# KiCad board Parallel.kicad_pcb (continued)
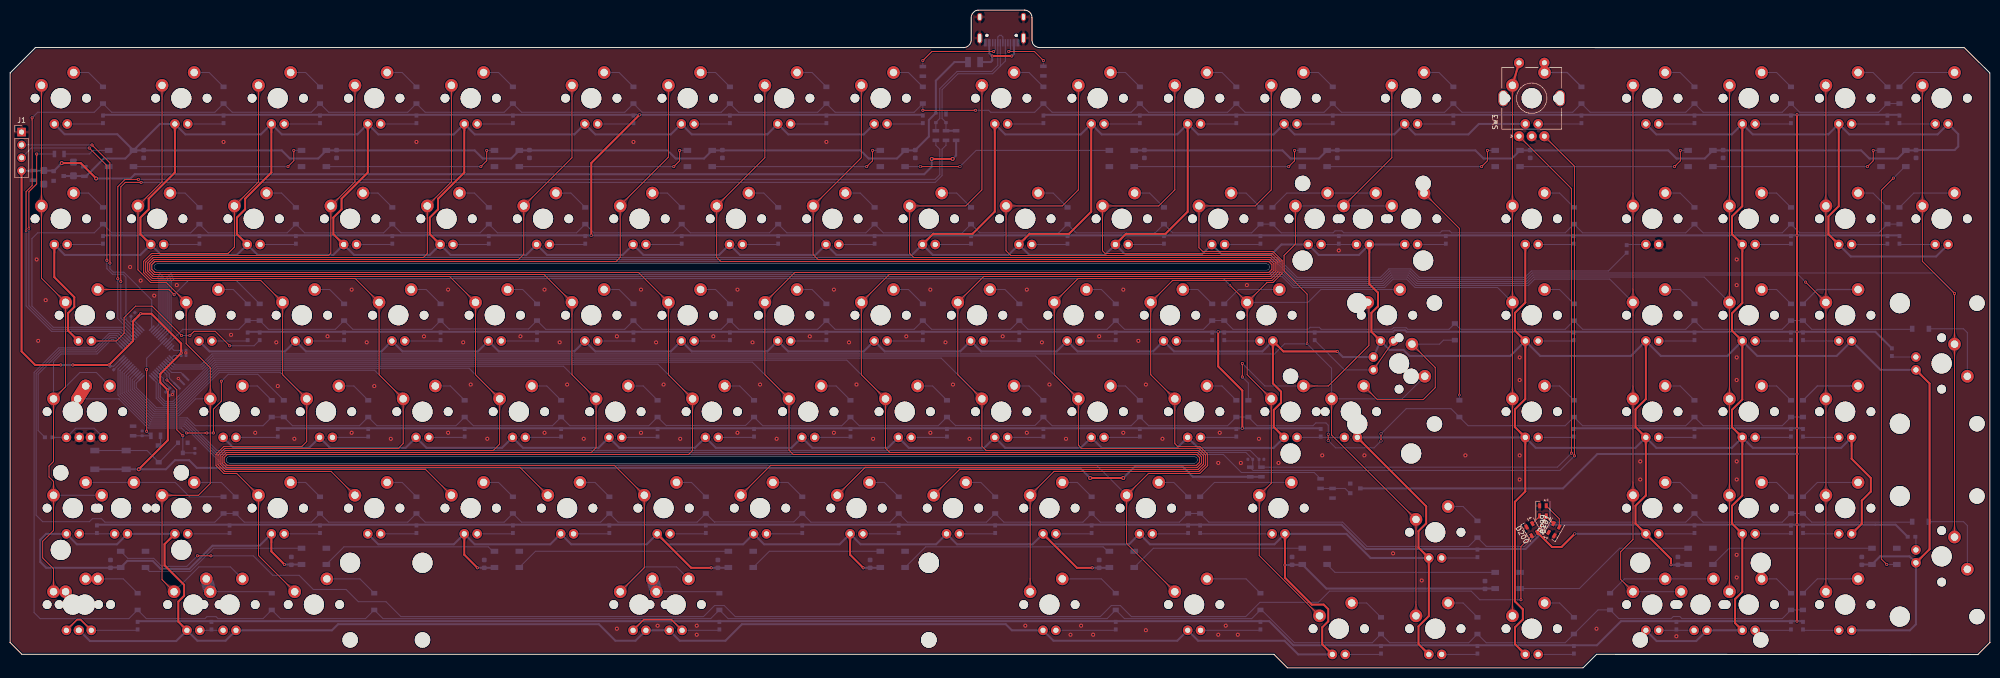
[diagram p0: board, top side]
## Copper pours and planes (outline as drawn; the poured copper is in the pictures) (continued)
Net-(D49-Pad2) on Bottom: 266.94,93.68 267.01,93.68 267.09,93.68 267.16,93.67 267.23,93.67 267.3,93.66 267.37,93.65 267.44,93.64 267.51,93.63 267.58,93.61 267.65,93.6 267.71,93.58 267.78,93.56 267.84,93.54 267.91,93.51 267.97,93.49 268.03,93.46 268.1,93.43 268.16,93.4 268.22,93.37 268.28,93.34 268.33,93.3 268.39,93.27 268.45,93.23 268.5,93.19 268.56,93.14 268.61,93.1 268.67,93.05 268.72,93.01 268.77,92.96 268.82,92.91 270.34,93.78 268.82,94.66 268.77,94.61 268.72,94.56 268.67,94.51 268.61,94.46 268.56,94.42 268.5,94.38 268.45,94.34 268.39,94.3 268.33,94.26 268.28,94.23 268.22,94.19 268.16,94.16 268.1,94.13 268.03,94.1 267.97,94.08 267.91,94.05 267.84,94.03 267.78,94.01 267.71,93.99 267.65,93.97 267.58,93.95 267.51,93.94 267.44,93.92 267.37,93.91 267.3,93.9 267.23,93.9 267.16,93.89 267.09,93.89 267.01,93.88 266.94,93.88
Net-(D52-Pad2) on Bottom: 305.83,93.88 305.75,93.88 305.68,93.89 305.61,93.89 305.54,93.9 305.46,93.9 305.39,93.91 305.32,93.92 305.26,93.94 305.19,93.95 305.12,93.97 305.05,93.99 304.99,94.01 304.92,94.03 304.86,94.05 304.8,94.08 304.73,94.1 304.67,94.13 304.61,94.16 304.55,94.19 304.49,94.23 304.43,94.26 304.38,94.3 304.32,94.34 304.26,94.38 304.21,94.42 304.15,94.46 304.1,94.51 304.05,94.56 304,94.61 303.94,94.66 302.43,93.78 303.94,92.91 304,92.96 304.05,93.01 304.1,93.05 304.15,93.1 304.21,93.14 304.26,93.19 304.32,93.23 304.38,93.27 304.43,93.3 304.49,93.34 304.55,93.37 304.61,93.4 304.67,93.43 304.73,93.46 304.8,93.49 304.86,93.51 304.92,93.54 304.99,93.56 305.05,93.58 305.12,93.6 305.19,93.61 305.26,93.63 305.32,93.64 305.39,93.65 305.46,93.66 305.54,93.67 305.61,93.67 305.68,93.68 305.75,93.68 305.83,93.68
Net-(D53-Pad2) on Bottom: 329.64,117.69 329.57,117.7 329.49,117.7 329.42,117.7 329.35,117.71 329.28,117.72 329.21,117.73 329.14,117.74 329.07,117.75 329,117.76 328.93,117.78 328.87,117.8 328.8,117.82 328.74,117.84 328.67,117.86 328.61,117.89 328.55,117.91 328.48,117.94 328.42,117.97 328.36,118.01 328.3,118.04 328.25,118.07 328.19,118.11 328.13,118.15 328.08,118.19 328.02,118.23 327.97,118.28 327.91,118.32 327.86,118.37 327.81,118.42 327.76,118.47 326.24,117.59 327.76,116.72 327.81,116.77 327.86,116.82 327.91,116.87 327.97,116.91 328.02,116.96 328.08,117 328.13,117.04 328.19,117.08 328.25,117.11 328.3,117.15 328.36,117.18 328.42,117.22 328.48,117.25 328.55,117.27 328.61,117.3 328.67,117.33 328.74,117.35 328.8,117.37 328.87,117.39 328.93,117.41 329,117.42 329.07,117.44 329.14,117.45 329.21,117.46 329.28,117.47 329.35,117.48 329.42,117.49 329.49,117.49 329.57,117.49 329.64,117.49
Net-(D54-Pad2) on Bottom: 329.64,93.88 329.57,93.88 329.49,93.89 329.42,93.89 329.35,93.9 329.28,93.9 329.21,93.91 329.14,93.92 329.07,93.94 329,93.95 328.93,93.97 328.87,93.99 328.8,94.01 328.74,94.03 328.67,94.05 328.61,94.08 328.55,94.1 328.48,94.13 328.42,94.16 328.36,94.19 328.3,94.23 328.25,94.26 328.19,94.3 328.13,94.34 328.08,94.38 328.02,94.42 327.97,94.46 327.91,94.51 327.86,94.56 327.81,94.61 327.76,94.66 326.24,93.78 327.76,92.91 327.81,92.96 327.86,93.01 327.91,93.05 327.97,93.1 328.02,93.14 328.08,93.19 328.13,93.23 328.19,93.27 328.25,93.3 328.3,93.34 328.36,93.37 328.42,93.4 328.48,93.43 328.55,93.46 328.61,93.49 328.67,93.51 328.74,93.54 328.8,93.56 328.87,93.58 328.93,93.6 329,93.61 329.07,93.63 329.14,93.64 329.21,93.65 329.28,93.66 329.35,93.67 329.42,93.67 329.49,93.68 329.57,93.68 329.64,93.68
Net-(D55-Pad2) on Bottom: 348.69,117.69 348.62,117.7 348.54,117.7 348.47,117.7 348.4,117.71 348.33,117.72 348.26,117.73 348.19,117.74 348.12,117.75 348.05,117.76 347.98,117.78 347.92,117.8 347.85,117.82 347.79,117.84 347.72,117.86 347.66,117.89 347.6,117.91 347.53,117.94 347.47,117.97 347.41,118.01 347.35,118.04 347.3,118.07 347.24,118.11 347.18,118.15 347.13,118.19 347.07,118.23 347.02,118.28 346.96,118.32 346.91,118.37 346.86,118.42 346.81,118.47 345.29,117.59 346.81,116.72 346.86,116.77 346.91,116.82 346.96,116.87 347.02,116.91 347.07,116.96 347.13,117 347.18,117.04 347.24,117.08 347.3,117.11 347.35,117.15 347.41,117.18 347.47,117.22 347.53,117.25 347.6,117.27 347.66,117.3 347.72,117.33 347.79,117.35 347.85,117.37 347.92,117.39 347.98,117.41 348.05,117.42 348.12,117.44 348.19,117.45 348.26,117.46 348.33,117.47 348.4,117.48 348.47,117.49 348.54,117.49 348.62,117.49 348.69,117.49
Net-(D56-Pad2) on Bottom: 348.69,93.88 348.62,93.88 348.54,93.89 348.47,93.89 348.4,93.9 348.33,93.9 348.26,93.91 348.19,93.92 348.12,93.94 348.05,93.95 347.98,93.97 347.92,93.99 347.85,94.01 347.79,94.03 347.72,94.05 347.66,94.08 347.6,94.1 347.53,94.13 347.47,94.16 347.41,94.19 347.35,94.23 347.3,94.26 347.24,94.3 347.18,94.34 347.13,94.38 347.07,94.42 347.02,94.46 346.96,94.51 346.91,94.56 346.86,94.61 346.81,94.66 345.29,93.78 346.81,92.91 346.86,92.96 346.91,93.01 346.96,93.05 347.02,93.1 347.07,93.14 347.13,93.19 347.18,93.23 347.24,93.27 347.3,93.3 347.35,93.34 347.41,93.37 347.47,93.4 347.53,93.43 347.6,93.46 347.66,93.49 347.72,93.51 347.79,93.54 347.85,93.56 347.92,93.58 347.98,93.6 348.05,93.61 348.12,93.63 348.19,93.64 348.26,93.65 348.33,93.66 348.4,93.67 348.47,93.67 348.54,93.68 348.62,93.68 348.69,93.68
Net-(D57-Pad2) on Bottom: 367.74,117.69 367.67,117.7 367.59,117.7 367.52,117.7 367.45,117.71 367.38,117.72 367.31,117.73 367.24,117.74 367.17,117.75 367.1,117.76 367.03,117.78 366.97,117.8 366.9,117.82 366.84,117.84 366.77,117.86 366.71,117.89 366.65,117.91 366.58,117.94 366.52,117.97 366.46,118.01 366.4,118.04 366.35,118.07 366.29,118.11 366.23,118.15 366.18,118.19 366.12,118.23 366.07,118.28 366.01,118.32 365.96,118.37 365.91,118.42 365.86,118.47 364.34,117.59 365.86,116.72 365.91,116.77 365.96,116.82 366.01,116.87 366.07,116.91 366.12,116.96 366.18,117 366.23,117.04 366.29,117.08 366.35,117.11 366.4,117.15 366.46,117.18 366.52,117.22 366.58,117.25 366.65,117.27 366.71,117.3 366.77,117.33 366.84,117.35 366.9,117.37 366.97,117.39 367.03,117.41 367.1,117.42 367.17,117.44 367.24,117.45 367.31,117.46 367.38,117.47 367.45,117.48 367.52,117.49 367.59,117.49 367.67,117.49 367.74,117.49
Net-(D58-Pad2) on Bottom: 367.74,93.88 367.67,93.88 367.59,93.89 367.52,93.89 367.45,93.9 367.38,93.9 367.31,93.91 367.24,93.92 367.17,93.94 367.1,93.95 367.03,93.97 366.97,93.99 366.9,94.01 366.84,94.03 366.77,94.05 366.71,94.08 366.65,94.1 366.58,94.13 366.52,94.16 366.46,94.19 366.4,94.23 366.35,94.26 366.29,94.3 366.23,94.34 366.18,94.38 366.12,94.42 366.07,94.46 366.01,94.51 365.96,94.56 365.91,94.61 365.86,94.66 364.34,93.78 365.86,92.91 365.91,92.96 365.96,93.01 366.01,93.05 366.07,93.1 366.12,93.14 366.18,93.19 366.23,93.23 366.29,93.27 366.35,93.3 366.4,93.34 366.46,93.37 366.52,93.4 366.58,93.43 366.65,93.46 366.71,93.49 366.77,93.51 366.84,93.54 366.9,93.56 366.97,93.58 367.03,93.6 367.1,93.61 367.17,93.63 367.24,93.64 367.31,93.65 367.38,93.66 367.45,93.67 367.52,93.67 367.59,93.68 367.67,93.68 367.74,93.68
Net-(D59-Pad2) on Bottom: 381.24,117.49 381.31,117.49 381.39,117.49 381.46,117.49 381.53,117.48 381.6,117.47 381.67,117.46 381.74,117.45 381.81,117.44 381.88,117.42 381.95,117.41 382.01,117.39 382.08,117.37 382.14,117.35 382.21,117.33 382.27,117.3 382.33,117.27 382.4,117.25 382.46,117.22 382.52,117.18 382.58,117.15 382.63,117.11 382.69,117.08 382.75,117.04 382.8,117 382.86,116.96 382.91,116.91 382.97,116.87 383.02,116.82 383.07,116.77 383.12,116.72 384.64,117.59 383.12,118.47 383.07,118.42 383.02,118.37 382.97,118.32 382.91,118.28 382.86,118.23 382.8,118.19 382.75,118.15 382.69,118.11 382.63,118.07 382.58,118.04 382.52,118.01 382.46,117.97 382.4,117.94 382.33,117.91 382.27,117.89 382.21,117.86 382.14,117.84 382.08,117.82 382.01,117.8 381.95,117.78 381.88,117.76 381.81,117.75 381.74,117.74 381.67,117.73 381.6,117.72 381.53,117.71 381.46,117.7 381.39,117.7 381.31,117.7 381.24,117.69
Net-(D60-Pad2) on Bottom: 381.24,93.68 381.31,93.68 381.39,93.68 381.46,93.67 381.53,93.67 381.6,93.66 381.67,93.65 381.74,93.64 381.81,93.63 381.88,93.61 381.95,93.6 382.01,93.58 382.08,93.56 382.14,93.54 382.21,93.51 382.27,93.49 382.33,93.46 382.4,93.43 382.46,93.4 382.52,93.37 382.58,93.34 382.63,93.3 382.69,93.27 382.75,93.23 382.8,93.19 382.86,93.14 382.91,93.1 382.97,93.05 383.02,93.01 383.07,92.96 383.12,92.91 384.64,93.78 383.12,94.66 383.07,94.61 383.02,94.56 382.97,94.51 382.91,94.46 382.86,94.42 382.8,94.38 382.75,94.34 382.69,94.3 382.63,94.26 382.58,94.23 382.52,94.19 382.46,94.16 382.4,94.13 382.33,94.1 382.27,94.08 382.21,94.05 382.14,94.03 382.08,94.01 382.01,93.99 381.95,93.97 381.88,93.95 381.81,93.94 381.74,93.92 381.67,93.91 381.6,93.9 381.53,93.9 381.46,93.89 381.39,93.89 381.31,93.88 381.24,93.88
Net-(D61-Pad2) on Top: 20.08,74.83 20,74.83 19.93,74.84 19.86,74.84 19.79,74.85 19.71,74.85 19.64,74.86 19.57,74.87 19.51,74.89 19.44,74.9 19.37,74.92 19.3,74.94 19.24,74.96 19.17,74.98 19.11,75 19.05,75.03 18.98,75.05 18.92,75.08 18.86,75.11 18.8,75.14 18.74,75.18 18.68,75.21 18.63,75.25 18.57,75.29 18.51,75.33 18.46,75.37 18.4,75.41 18.35,75.46 18.3,75.51 18.25,75.56 18.19,75.61 16.68,74.73 18.19,73.86 18.25,73.91 18.3,73.96 18.35,74 18.4,74.05 18.46,74.09 18.51,74.14 18.57,74.18 18.63,74.22 18.68,74.25 18.74,74.29 18.8,74.32 18.86,74.35 18.92,74.38 18.98,74.41 19.05,74.44 19.11,74.46 19.17,74.49 19.24,74.51 19.3,74.53 19.37,74.55 19.44,74.56 19.51,74.58 19.57,74.59 19.64,74.6 19.71,74.61 19.79,74.62 19.86,74.62 19.93,74.63 20,74.63 20.08,74.63
Net-(D62-Pad2) on Bottom: 43.89,74.83 43.82,74.83 43.74,74.84 43.67,74.84 43.6,74.85 43.53,74.85 43.46,74.86 43.39,74.87 43.32,74.89 43.25,74.9 43.18,74.92 43.12,74.94 43.05,74.96 42.99,74.98 42.92,75 42.86,75.03 42.8,75.05 42.73,75.08 42.67,75.11 42.61,75.14 42.55,75.18 42.5,75.21 42.44,75.25 42.38,75.29 42.33,75.33 42.27,75.37 42.22,75.41 42.16,75.46 42.11,75.51 42.06,75.56 42.01,75.61 40.49,74.73 42.01,73.86 42.06,73.91 42.11,73.96 42.16,74 42.22,74.05 42.27,74.09 42.33,74.14 42.38,74.18 42.44,74.22 42.5,74.25 42.55,74.29 42.61,74.32 42.67,74.35 42.73,74.38 42.8,74.41 42.86,74.44 42.92,74.46 42.99,74.49 43.05,74.51 43.12,74.53 43.18,74.55 43.25,74.56 43.32,74.58 43.39,74.59 43.46,74.6 43.53,74.61 43.6,74.62 43.67,74.62 43.74,74.63 43.82,74.63 43.89,74.63
Net-(D63-Pad2) on Bottom: 62.94,74.83 62.87,74.83 62.79,74.84 62.72,74.84 62.65,74.85 62.58,74.85 62.51,74.86 62.44,74.87 62.37,74.89 62.3,74.9 62.23,74.92 62.17,74.94 62.1,74.96 62.04,74.98 61.97,75 61.91,75.03 61.85,75.05 61.78,75.08 61.72,75.11 61.66,75.14 61.6,75.18 61.55,75.21 61.49,75.25 61.43,75.29 61.38,75.33 61.32,75.37 61.27,75.41 61.21,75.46 61.16,75.51 61.11,75.56 61.06,75.61 59.54,74.73 61.06,73.86 61.11,73.91 61.16,73.96 61.21,74 61.27,74.05 61.32,74.09 61.38,74.14 61.43,74.18 61.49,74.22 61.55,74.25 61.6,74.29 61.66,74.32 61.72,74.35 61.78,74.38 61.85,74.41 61.91,74.44 61.97,74.46 62.04,74.49 62.1,74.51 62.17,74.53 62.23,74.55 62.3,74.56 62.37,74.58 62.44,74.59 62.51,74.6 62.58,74.61 62.65,74.62 62.72,74.62 62.79,74.63 62.87,74.63 62.94,74.63
Net-(D64-Pad2) on Bottom: 81.99,74.83 81.92,74.83 81.84,74.84 81.77,74.84 81.7,74.85 81.63,74.85 81.56,74.86 81.49,74.87 81.42,74.89 81.35,74.9 81.28,74.92 81.22,74.94 81.15,74.96 81.09,74.98 81.02,75 80.96,75.03 80.9,75.05 80.83,75.08 80.77,75.11 80.71,75.14 80.65,75.18 80.6,75.21 80.54,75.25 80.48,75.29 80.43,75.33 80.37,75.37 80.32,75.41 80.26,75.46 80.21,75.51 80.16,75.56 80.11,75.61 78.59,74.73 80.11,73.86 80.16,73.91 80.21,73.96 80.26,74 80.32,74.05 80.37,74.09 80.43,74.14 80.48,74.18 80.54,74.22 80.6,74.25 80.65,74.29 80.71,74.32 80.77,74.35 80.83,74.38 80.9,74.41 80.96,74.44 81.02,74.46 81.09,74.49 81.15,74.51 81.22,74.53 81.28,74.55 81.35,74.56 81.42,74.58 81.49,74.59 81.56,74.6 81.63,74.61 81.7,74.62 81.77,74.62 81.84,74.63 81.92,74.63 81.99,74.63
Net-(D65-Pad2) on Bottom: 101.04,74.83 100.97,74.83 100.89,74.84 100.82,74.84 100.75,74.85 100.68,74.85 100.61,74.86 100.54,74.87 100.47,74.89 100.4,74.9 100.33,74.92 100.27,74.94 100.2,74.96 100.14,74.98 100.07,75 100.01,75.03 99.95,75.05 99.88,75.08 99.82,75.11 99.76,75.14 99.7,75.18 99.65,75.21 99.59,75.25 99.53,75.29 99.48,75.33 99.42,75.37 99.37,75.41 99.31,75.46 99.26,75.51 99.21,75.56 99.16,75.61 97.64,74.73 99.16,73.86 99.21,73.91 99.26,73.96 99.31,74 99.37,74.05 99.42,74.09 99.48,74.14 99.53,74.18 99.59,74.22 99.65,74.25 99.7,74.29 99.76,74.32 99.82,74.35 99.88,74.38 99.95,74.41 100.01,74.44 100.07,74.46 100.14,74.49 100.2,74.51 100.27,74.53 100.33,74.55 100.4,74.56 100.47,74.58 100.54,74.59 100.61,74.6 100.68,74.61 100.75,74.62 100.82,74.62 100.89,74.63 100.97,74.63 101.04,74.63
Net-(D66-Pad2) on Bottom: 120.09,74.83 120.02,74.83 119.94,74.84 119.87,74.84 119.8,74.85 119.73,74.85 119.66,74.86 119.59,74.87 119.52,74.89 119.45,74.9 119.38,74.92 119.32,74.94 119.25,74.96 119.19,74.98 119.12,75 119.06,75.03 119,75.05 118.93,75.08 118.87,75.11 118.81,75.14 118.75,75.18 118.7,75.21 118.64,75.25 118.58,75.29 118.53,75.33 118.47,75.37 118.42,75.41 118.36,75.46 118.31,75.51 118.26,75.56 118.21,75.61 116.69,74.73 118.21,73.86 118.26,73.91 118.31,73.96 118.36,74 118.42,74.05 118.47,74.09 118.53,74.14 118.58,74.18 118.64,74.22 118.7,74.25 118.75,74.29 118.81,74.32 118.87,74.35 118.93,74.38 119,74.41 119.06,74.44 119.12,74.46 119.19,74.49 119.25,74.51 119.32,74.53 119.38,74.55 119.45,74.56 119.52,74.58 119.59,74.59 119.66,74.6 119.73,74.61 119.8,74.62 119.87,74.62 119.94,74.63 120.02,74.63 120.09,74.63
Net-(D67-Pad2) on Bottom: 139.14,74.83 139.07,74.83 138.99,74.84 138.92,74.84 138.85,74.85 138.78,74.85 138.71,74.86 138.64,74.87 138.57,74.89 138.5,74.9 138.43,74.92 138.37,74.94 138.3,74.96 138.24,74.98 138.17,75 138.11,75.03 138.05,75.05 137.98,75.08 137.92,75.11 137.86,75.14 137.8,75.18 137.75,75.21 137.69,75.25 137.63,75.29 137.58,75.33 137.52,75.37 137.47,75.41 137.41,75.46 137.36,75.51 137.31,75.56 137.26,75.61 135.74,74.73 137.26,73.86 137.31,73.91 137.36,73.96 137.41,74 137.47,74.05 137.52,74.09 137.58,74.14 137.63,74.18 137.69,74.22 137.75,74.25 137.8,74.29 137.86,74.32 137.92,74.35 137.98,74.38 138.05,74.41 138.11,74.44 138.17,74.46 138.24,74.49 138.3,74.51 138.37,74.53 138.43,74.55 138.5,74.56 138.57,74.58 138.64,74.59 138.71,74.6 138.78,74.61 138.85,74.62 138.92,74.62 138.99,74.63 139.07,74.63 139.14,74.63
Net-(D68-Pad2) on Bottom: 158.19,74.83 158.12,74.83 158.04,74.84 157.97,74.84 157.9,74.85 157.83,74.85 157.76,74.86 157.69,74.87 157.62,74.89 157.55,74.9 157.48,74.92 157.42,74.94 157.35,74.96 157.29,74.98 157.22,75 157.16,75.03 157.1,75.05 157.03,75.08 156.97,75.11 156.91,75.14 156.85,75.18 156.8,75.21 156.74,75.25 156.68,75.29 156.63,75.33 156.57,75.37 156.52,75.41 156.46,75.46 156.41,75.51 156.36,75.56 156.31,75.61 154.79,74.73 156.31,73.86 156.36,73.91 156.41,73.96 156.46,74 156.52,74.05 156.57,74.09 156.63,74.14 156.68,74.18 156.74,74.22 156.8,74.25 156.85,74.29 156.91,74.32 156.97,74.35 157.03,74.38 157.1,74.41 157.16,74.44 157.22,74.46 157.29,74.49 157.35,74.51 157.42,74.53 157.48,74.55 157.55,74.56 157.62,74.58 157.69,74.59 157.76,74.6 157.83,74.61 157.9,74.62 157.97,74.62 158.04,74.63 158.12,74.63 158.19,74.63
Net-(D69-Pad2) on Bottom: 177.24,74.83 177.17,74.83 177.09,74.84 177.02,74.84 176.95,74.85 176.88,74.85 176.81,74.86 176.74,74.87 176.67,74.89 176.6,74.9 176.53,74.92 176.47,74.94 176.4,74.96 176.34,74.98 176.27,75 176.21,75.03 176.15,75.05 176.08,75.08 176.02,75.11 175.96,75.14 175.9,75.18 175.85,75.21 175.79,75.25 175.73,75.29 175.68,75.33 175.62,75.37 175.57,75.41 175.51,75.46 175.46,75.51 175.41,75.56 175.36,75.61 173.84,74.73 175.36,73.86 175.41,73.91 175.46,73.96 175.51,74 175.57,74.05 175.62,74.09 175.68,74.14 175.73,74.18 175.79,74.22 175.85,74.25 175.9,74.29 175.96,74.32 176.02,74.35 176.08,74.38 176.15,74.41 176.21,74.44 176.27,74.46 176.34,74.49 176.4,74.51 176.47,74.53 176.53,74.55 176.6,74.56 176.67,74.58 176.74,74.59 176.81,74.6 176.88,74.61 176.95,74.62 177.02,74.62 177.09,74.63 177.17,74.63 177.24,74.63
Net-(D70-Pad2) on Bottom: 196.29,74.83 196.22,74.83 196.14,74.84 196.07,74.84 196,74.85 195.93,74.85 195.86,74.86 195.79,74.87 195.72,74.89 195.65,74.9 195.58,74.92 195.52,74.94 195.45,74.96 195.39,74.98 195.32,75 195.26,75.03 195.2,75.05 195.13,75.08 195.07,75.11 195.01,75.14 194.95,75.18 194.9,75.21 194.84,75.25 194.78,75.29 194.73,75.33 194.67,75.37 194.62,75.41 194.56,75.46 194.51,75.51 194.46,75.56 194.41,75.61 192.89,74.73 194.41,73.86 194.46,73.91 194.51,73.96 194.56,74 194.62,74.05 194.67,74.09 194.73,74.14 194.78,74.18 194.84,74.22 194.9,74.25 194.95,74.29 195.01,74.32 195.07,74.35 195.13,74.38 195.2,74.41 195.26,74.44 195.32,74.46 195.39,74.49 195.45,74.51 195.52,74.53 195.58,74.55 195.65,74.56 195.72,74.58 195.79,74.59 195.86,74.6 195.93,74.61 196,74.62 196.07,74.62 196.14,74.63 196.22,74.63 196.29,74.63
Net-(D71-Pad2) on Bottom: 215.34,74.83 215.27,74.83 215.19,74.84 215.12,74.84 215.05,74.85 214.98,74.85 214.91,74.86 214.84,74.87 214.77,74.89 214.7,74.9 214.63,74.92 214.57,74.94 214.5,74.96 214.44,74.98 214.37,75 214.31,75.03 214.25,75.05 214.18,75.08 214.12,75.11 214.06,75.14 214,75.18 213.95,75.21 213.89,75.25 213.83,75.29 213.78,75.33 213.72,75.37 213.67,75.41 213.61,75.46 213.56,75.51 213.51,75.56 213.46,75.61 211.94,74.73 213.46,73.86 213.51,73.91 213.56,73.96 213.61,74 213.67,74.05 213.72,74.09 213.78,74.14 213.83,74.18 213.89,74.22 213.95,74.25 214,74.29 214.06,74.32 214.12,74.35 214.18,74.38 214.25,74.41 214.31,74.44 214.37,74.46 214.44,74.49 214.5,74.51 214.57,74.53 214.63,74.55 214.7,74.56 214.77,74.58 214.84,74.59 214.91,74.6 214.98,74.61 215.05,74.62 215.12,74.62 215.19,74.63 215.27,74.63 215.34,74.63
Net-(D72-Pad2) on Bottom: 234.39,74.83 234.32,74.83 234.24,74.84 234.17,74.84 234.1,74.85 234.03,74.85 233.96,74.86 233.89,74.87 233.82,74.89 233.75,74.9 233.68,74.92 233.62,74.94 233.55,74.96 233.49,74.98 233.42,75 233.36,75.03 233.3,75.05 233.23,75.08 233.17,75.11 233.11,75.14 233.05,75.18 233,75.21 232.94,75.25 232.88,75.29 232.83,75.33 232.77,75.37 232.72,75.41 232.66,75.46 232.61,75.51 232.56,75.56 232.51,75.61 230.99,74.73 232.51,73.86 232.56,73.91 232.61,73.96 232.66,74 232.72,74.05 232.77,74.09 232.83,74.14 232.88,74.18 232.94,74.22 233,74.25 233.05,74.29 233.11,74.32 233.17,74.35 233.23,74.38 233.3,74.41 233.36,74.44 233.42,74.46 233.49,74.49 233.55,74.51 233.62,74.53 233.68,74.55 233.75,74.56 233.82,74.58 233.89,74.59 233.96,74.6 234.03,74.61 234.1,74.62 234.17,74.62 234.24,74.63 234.32,74.63 234.39,74.63
Net-(D73-Pad2) on Bottom: 247.89,74.63 247.96,74.63 248.04,74.63 248.11,74.62 248.18,74.62 248.25,74.61 248.32,74.6 248.39,74.59 248.46,74.58 248.53,74.56 248.6,74.55 248.66,74.53 248.73,74.51 248.79,74.49 248.86,74.46 248.92,74.44 248.98,74.41 249.05,74.38 249.11,74.35 249.17,74.32 249.23,74.29 249.28,74.25 249.34,74.22 249.4,74.18 249.45,74.14 249.51,74.09 249.56,74.05 249.62,74 249.67,73.96 249.72,73.91 249.77,73.86 251.29,74.73 249.77,75.61 249.72,75.56 249.67,75.51 249.62,75.46 249.56,75.41 249.51,75.37 249.45,75.33 249.4,75.29 249.34,75.25 249.28,75.21 249.23,75.18 249.17,75.14 249.11,75.11 249.05,75.08 248.98,75.05 248.92,75.03 248.86,75 248.79,74.98 248.73,74.96 248.66,74.94 248.6,74.92 248.53,74.9 248.46,74.89 248.39,74.87 248.32,74.86 248.25,74.85 248.18,74.85 248.11,74.84 248.04,74.84 247.96,74.83 247.89,74.83
Net-(D74-Pad2) on Top: 269.37,53.79 269.32,53.84 269.27,53.9 269.22,53.95 269.17,54.01 269.13,54.06 269.08,54.12 269.04,54.18 269,54.23 268.96,54.29 268.93,54.35 268.89,54.41 268.86,54.47 268.83,54.53 268.8,54.59 268.77,54.66 268.75,54.72 268.73,54.78 268.7,54.85 268.68,54.91 268.67,54.98 268.65,55.04 268.64,55.11 268.62,55.18 268.61,55.25 268.6,55.32 268.6,55.38 268.59,55.46 268.59,55.53 268.58,55.6 268.58,55.67 266.89,56.12 267.35,54.43 267.42,54.43 267.49,54.43 267.56,54.43 267.63,54.42 267.7,54.41 267.77,54.4 267.84,54.39 267.9,54.38 267.97,54.37 268.04,54.35 268.1,54.33 268.17,54.31 268.23,54.29 268.3,54.27 268.36,54.24 268.42,54.21 268.48,54.19 268.54,54.15 268.6,54.12 268.66,54.09 268.72,54.05 268.78,54.01 268.84,53.97 268.9,53.93 268.95,53.89 269.01,53.85 269.06,53.8 269.12,53.75 269.17,53.7 269.23,53.65
Net-(D74-Pad2) on Top: 278.89,62.04 278.84,62.1 278.79,62.15 278.74,62.21 278.7,62.26 278.65,62.32 278.61,62.37 278.57,62.43 278.53,62.49 278.49,62.55 278.45,62.61 278.42,62.67 278.39,62.73 278.36,62.79 278.33,62.85 278.3,62.91 278.27,62.97 278.25,63.04 278.23,63.1 278.21,63.17 278.19,63.23 278.18,63.3 278.16,63.37 278.15,63.43 278.14,63.5 278.13,63.57 278.12,63.64 278.12,63.71 278.11,63.78 278.11,63.85 278.11,63.92 276.42,64.38 276.87,62.69 276.94,62.69 277.02,62.68 277.09,62.68 277.16,62.68 277.23,62.67 277.29,62.66 277.36,62.65 277.43,62.64 277.5,62.62 277.56,62.6 277.63,62.59 277.69,62.57 277.76,62.54 277.82,62.52 277.88,62.5 277.95,62.47 278.01,62.44 278.07,62.41 278.13,62.38 278.19,62.34 278.25,62.31 278.31,62.27 278.36,62.23 278.42,62.19 278.48,62.15 278.53,62.1 278.59,62.05 278.64,62.01 278.7,61.95 278.75,61.9
Net-(D74-Pad2) on Bottom: 279.64,64.04 279.56,64.04 279.49,64.04 279.41,64.04 279.34,64.05 279.27,64.06 279.2,64.07 279.13,64.08 279.06,64.09 278.99,64.11 278.93,64.12 278.86,64.14 278.79,64.16 278.73,64.18 278.67,64.21 278.6,64.23 278.54,64.26 278.48,64.29 278.42,64.32 278.36,64.35 278.3,64.38 278.24,64.42 278.18,64.45 278.13,64.49 278.07,64.53 278.02,64.57 277.96,64.62 277.91,64.66 277.85,64.71 277.8,64.76 277.75,64.81 276.23,63.94 277.75,63.06 277.8,63.11 277.85,63.16 277.91,63.21 277.96,63.25 278.02,63.3 278.07,63.34 278.13,63.38 278.18,63.42 278.24,63.46 278.3,63.49 278.36,63.53 278.42,63.56 278.48,63.59 278.54,63.62 278.6,63.64 278.67,63.67 278.73,63.69 278.79,63.71 278.86,63.73 278.93,63.75 278.99,63.77 279.06,63.78 279.13,63.79 279.2,63.81 279.27,63.82 279.34,63.82 279.41,63.83 279.49,63.83 279.56,63.84 279.64,63.84
Net-(D75-Pad2) on Bottom: 305.83,74.83 305.75,74.83 305.68,74.84 305.61,74.84 305.54,74.85 305.46,74.85 305.39,74.86 305.32,74.87 305.26,74.89 305.19,74.9 305.12,74.92 305.05,74.94 304.99,74.96 304.92,74.98 304.86,75 304.8,75.03 304.73,75.05 304.67,75.08 304.61,75.11 304.55,75.14 304.49,75.18 304.43,75.21 304.38,75.25 304.32,75.29 304.26,75.33 304.21,75.37 304.15,75.41 304.1,75.46 304.05,75.51 304,75.56 303.94,75.61 302.43,74.73 303.94,73.86 304,73.91 304.05,73.96 304.1,74 304.15,74.05 304.21,74.09 304.26,74.14 304.32,74.18 304.38,74.22 304.43,74.25 304.49,74.29 304.55,74.32 304.61,74.35 304.67,74.38 304.73,74.41 304.8,74.44 304.86,74.46 304.92,74.49 304.99,74.51 305.05,74.53 305.12,74.55 305.19,74.56 305.26,74.58 305.32,74.59 305.39,74.6 305.46,74.61 305.54,74.62 305.61,74.62 305.68,74.63 305.75,74.63 305.83,74.63
Net-(D76-Pad2) on Bottom: 329.64,74.83 329.57,74.83 329.49,74.84 329.42,74.84 329.35,74.85 329.28,74.85 329.21,74.86 329.14,74.87 329.07,74.89 329,74.9 328.93,74.92 328.87,74.94 328.8,74.96 328.74,74.98 328.67,75 328.61,75.03 328.55,75.05 328.48,75.08 328.42,75.11 328.36,75.14 328.3,75.18 328.25,75.21 328.19,75.25 328.13,75.29 328.08,75.33 328.02,75.37 327.97,75.41 327.91,75.46 327.86,75.51 327.81,75.56 327.76,75.61 326.24,74.73 327.76,73.86 327.81,73.91 327.86,73.96 327.91,74 327.97,74.05 328.02,74.09 328.08,74.14 328.13,74.18 328.19,74.22 328.25,74.25 328.3,74.29 328.36,74.32 328.42,74.35 328.48,74.38 328.55,74.41 328.61,74.44 328.67,74.46 328.74,74.49 328.8,74.51 328.87,74.53 328.93,74.55 329,74.56 329.07,74.58 329.14,74.59 329.21,74.6 329.28,74.61 329.35,74.62 329.42,74.62 329.49,74.63 329.57,74.63 329.64,74.63
Net-(D77-Pad2) on Bottom: 348.69,74.83 348.62,74.83 348.54,74.84 348.47,74.84 348.4,74.85 348.33,74.85 348.26,74.86 348.19,74.87 348.12,74.89 348.05,74.9 347.98,74.92 347.92,74.94 347.85,74.96 347.79,74.98 347.72,75 347.66,75.03 347.6,75.05 347.53,75.08 347.47,75.11 347.41,75.14 347.35,75.18 347.3,75.21 347.24,75.25 347.18,75.29 347.13,75.33 347.07,75.37 347.02,75.41 346.96,75.46 346.91,75.51 346.86,75.56 346.81,75.61 345.29,74.73 346.81,73.86 346.86,73.91 346.91,73.96 346.96,74 347.02,74.05 347.07,74.09 347.13,74.14 347.18,74.18 347.24,74.22 347.3,74.25 347.35,74.29 347.41,74.32 347.47,74.35 347.53,74.38 347.6,74.41 347.66,74.44 347.72,74.46 347.79,74.49 347.85,74.51 347.92,74.53 347.98,74.55 348.05,74.56 348.12,74.58 348.19,74.59 348.26,74.6 348.33,74.61 348.4,74.62 348.47,74.62 348.54,74.63 348.62,74.63 348.69,74.63
Net-(D78-Pad2) on Bottom: 362.25,74.61 362.32,74.61 362.39,74.6 362.46,74.6 362.53,74.59 362.6,74.59 362.67,74.58 362.74,74.57 362.8,74.55 362.87,74.54 362.93,74.52 363,74.51 363.06,74.49 363.13,74.47 363.19,74.44 363.25,74.42 363.31,74.39 363.37,74.37 363.43,74.34 363.49,74.31 363.54,74.27 363.6,74.24 363.65,74.2 363.71,74.17 363.76,74.13 363.82,74.09 363.87,74.04 363.92,74 363.97,73.95 364.02,73.91 364.07,73.86 365.59,74.73 364.07,75.61 364.02,75.56 363.97,75.51 363.92,75.46 363.87,75.42 363.82,75.38 363.76,75.34 363.71,75.3 363.65,75.26 363.6,75.22 363.54,75.19 363.49,75.16 363.43,75.13 363.37,75.1 363.31,75.07 363.25,75.04 363.19,75.02 363.13,75 363.06,74.98 363,74.96 362.93,74.94 362.87,74.92 362.8,74.91 362.74,74.9 362.67,74.89 362.6,74.88 362.53,74.87 362.46,74.86 362.39,74.86 362.32,74.86 362.25,74.86